# KiCad board 8851_HW-U1-VCU118_REV2-0_071417.kicad_pcb (continued)
## Routing (per net, layer and track width the routed paths; a pad name or vN(x,y) marks a point on that pad's centre or on a via; arc(x,y) is an arc through that point) (continued)
  20_SIG7 w0.138: 81.09,107.1 81.09,106.66 85.47,102.28 85.89,102.28 86.2,102.6 87.98,102.6 88.22,102.36 88.22,102 87.89,101.68 86.77,101.68 86.59,101.5 86.59,101.14 86.77,100.96 88,100.96 88.58,101.54 88.92,101.54 89.09,101.36 89.09,101.08 88.45,100.44 88.45,100.25 88.31,100.11 87.87,100.11 87.72,99.96 87.72,99.55 87.84,99.43 88.31,99.43 88.45,99.29 88.45,98.88 88.31,98.74 88.17,98.74 88.03,98.6 88.03,98.19 88.17,98.05 88.31,98.05 88.45,97.91 88.45,97.62 87.87,97.04 87.87,96.47 88.12,96.22 88.31,96.22 89,96.9 89.19,96.9 89.48,96.61 89.48,96.42 88.8,95.73 88.8,95.54 89.47,94.86 89.47,92.18 89.34,92.04 88.89,92.04 88.75,91.9 88.75,91.49 88.89,91.35 89.34,91.35 89.47,91.22 89.47,90.85 88.82,90.19 88.82,76.68 93.3,72.19 93.55,72.19 ; 80.53,121.39 80.53,121.66 80.44,121.76 79.74,121.76 79.55,121.94 79.55,123.64 79.27,123.92 78.55,123.92 78.2,123.57 78.2,122.14 78.58,121.77 78.58,121.45
RLD3_C3_72B_DQ54: length 114.1
  TOP w0.15: 77.58,118.77 v2(78.07,119.26) ; 101.12,68.25 v2(100.63,68.74)
  18_SIG6 w0.087: v2(100.63,68.74) 100.88,68.74 101.37,68.25 101.82,68.25 102.1,67.96 102.1,65.59 101.81,65.29 101.37,65.29 100.35,64.28 99.4,64.28 99.27,64.41 99.27,64.76 99.1,64.93 98.76,64.93 98.59,64.76 98.59,64.41 98.42,64.24 97.9,64.24 97.73,64.41 97.73,64.46 97.56,64.63 97.22,64.63 97.05,64.46 97.05,64.41 96.88,64.24 96.54,64.24 96.37,64.41 96.37,64.46 96.2,64.63 95.86,64.63 95.69,64.46 95.69,64.41 95.52,64.24 95.18,64.24 95.01,64.41 95.01,64.46 94.84,64.63 94.5,64.63 94.33,64.46 94.33,64.41 94.17,64.26 93.44,64.26 93.14,63.96 92.9,63.96 ; v2(78.07,119.26) 78.07,119.55 77.87,119.75 74.4,119.75 73.41,120.73 71.92,120.73 71.68,120.5 71.68,118.07 71.96,117.78 72.44,117.78 72.66,117.57 72.66,117.09 72.95,116.8 73.43,116.8 73.67,116.55 73.67,113.16 73.37,112.86 67.98,112.86 67.83,112.7
  18_SIG6 w0.138: 92.9,63.96 92.25,63.96 88.56,67.65 83.7,67.65 82.18,69.18 82.18,72.91 82.04,73.05 81.56,73.05 81.43,73.19 81.43,73.6 81.56,73.74 82.04,73.74 82.18,73.88 82.18,74.29 82.04,74.43 81.56,74.43 81.43,74.56 81.43,74.98 81.56,75.11 82.04,75.11 82.18,75.25 82.18,89.6 81.4,90.38 81.4,93.21 80.72,93.89 70.92,93.89 70.28,94.53 70.28,97.21 69.91,97.57 67.61,97.57 67.18,98.01 67.18,99.03 66.77,99.43 65.92,99.43 65.35,100 65.35,103.01 65.18,103.18 65.18,109.07 66.79,110.68 66.89,110.68 67.28,111.07 67.28,111.3 67.62,111.64 67.62,112.49 67.83,112.7
RLD3_C3_72B_DQ55: length 113.7
  TOP w0.15: 100.13,68.25 v2(99.64,68.74) ; 76.6,117.78 v2(77.09,118.27)
  18_SIG6 w0.087: 67.83,110.71 68.01,110.89 68.44,110.89 68.72,111.17 68.72,111.58 69.02,111.88 69.4,111.88 69.71,111.57 69.71,111.07 69.89,110.89 70.51,110.89 70.69,111.07 70.69,111.58 70.98,111.88 71.41,111.88 71.68,111.61 71.68,111.07 71.85,110.89 72.46,110.89 72.66,111.09 72.66,111.6 72.93,111.88 73.36,111.88 73.65,111.59 73.65,110.08 73.82,109.91 74.17,109.91 74.26,110 74.26,117.56 74.48,117.78 76.36,117.78 76.85,118.27 v2(77.09,118.27) ; 92.9,64.9 93.34,64.9 93.72,64.9 98.08,64.9 98.43,65.25 98.91,65.25 99.15,65.5 99.15,66.98 99.44,67.27 100,67.27 100.13,67.4 100.13,68 99.64,68.49 v2(99.64,68.74)
  18_SIG6 w0.138: 92.9,64.9 92.38,64.9 87.58,69.7 87.3,69.7 87.19,69.6 87.19,68.54 86.96,68.31 86.64,68.31 86.42,68.54 86.42,70.85 86.22,71.05 85.9,71.05 85.65,70.8 85.65,68.54 85.42,68.31 85.1,68.31 84.87,68.54 84.87,70.25 84.35,70.77 83.22,70.77 82.81,71.18 82.81,90.02 82.2,90.63 82.2,94 81.97,94.22 81.32,94.22 81.09,94.45 81.09,94.77 81.32,94.99 81.97,94.99 82.2,95.22 82.2,95.52 81.7,96.02 81.38,96.02 80.88,95.52 80.56,95.52 80.33,95.74 80.33,96.06 80.84,96.56 80.84,96.88 80.2,97.52 70.54,97.52 69.92,98.14 68.84,98.14 68.46,98.53 68.46,98.99 67.31,100.14 66.24,100.14 66,100.38 66,101.55 66.63,102.18 66.63,103.38 65.81,104.2 65.81,108.02 66.48,108.68 67.33,108.68 67.66,109.01 67.66,110.54 67.83,110.71
RLD3_C3_72B_DQ56: length 111.5
  TOP w0.15: 99.15,69.24 v2(98.66,69.73) ; 78.57,115.81 v2(79.06,116.31)
  TOP w0.375: v2(121.3,82.52) U1.F28
  18_SIG6 w0.087: 82.26,107.1 82.28,107.11 ; v2(98.66,69.73) 99.08,69.73 99.16,69.81 99.16,70.14 99.08,70.22 98.45,70.22 98.17,70.51 98.17,70.92 97.88,71.2 93.63,71.2 93.32,71.52 93.32,71.64 92.9,72.05 ; 82.28,117.82 82.25,117.79 81.81,117.79 81.52,117.5 81.52,117.08 81.24,116.8 79.77,116.8 79.28,116.31 v2(79.06,116.31)
  18_SIG6 w0.138: 82.28,107.11 82.83,107.67 82.83,108.09 82.49,108.44 82.49,108.63 82.48,108.63 82.48,108.87 82.69,109.08 84.18,109.08 84.38,109.28 84.38,109.9 84.25,110.03 83.17,110.03 82.97,110.23 82.97,110.85 83.19,111.07 84.18,111.07 84.38,111.28 84.38,111.92 84.28,112.01 83.06,112.01 82.92,112.15 82.92,112.78 83.17,113.03 84.23,113.03 84.36,113.16 84.36,113.74 84.12,113.97 84.12,114.28 84.25,114.41 84.82,114.41 84.97,114.56 84.97,114.76 84.83,114.91 83.85,114.91 83.65,115.11 83.65,115.72 83.82,115.9 84.51,115.9 85.03,116.42 85.03,117.42 84.82,117.64 84.59,117.64 84.43,117.48 84.43,117.12 84.25,116.93 83.62,116.93 83.25,116.56 82.82,116.56 82.62,116.76 82.62,117.3 82.99,117.68 82.99,118.6 82.86,118.73 82.65,118.73 82.52,118.61 82.52,118.06 82.28,117.82 ; 92.9,72.05 88.87,76.09 88.87,86.55 89.75,87.43 89.75,87.79 89.47,88.07 89.47,88.44 89.83,88.8 90.2,88.8 90.6,88.4 90.96,88.4 91.33,88.77 91.33,89.13 90.93,89.53 90.93,89.89 91.29,90.26 91.66,90.26 92.07,89.84 92.39,89.84 92.76,90.2 92.76,90.61 92.38,90.99 92.38,91.48 92.62,91.71 93.11,91.71 93.39,91.44 93.76,91.44 94.01,91.69 94.01,94.63 91.97,96.66 91.48,96.66 90.94,97.2 90.94,98.65 89.65,99.95 89.65,99.97 89.63,99.99 89.63,100.71 88.74,101.6 88.74,101.92 88.96,102.14 88.96,102.46 88.73,102.69 88.41,102.69 88.2,102.47 87.88,102.47 87.65,102.7 87.65,103.02 87.87,103.23 87.87,103.55 87.64,103.78 87.32,103.78 87.1,103.56 86.78,103.56 86.46,103.89 85.91,103.89 85.69,104.11 85.69,105.43 85.48,105.65 85.16,105.65 84.94,105.43 84.94,104.11 84.73,103.89 84.41,103.89 84.19,104.11 84.19,107.58 83.96,107.81 83.65,107.81 83.44,107.6 83.44,104.11 83.23,103.89 82.91,103.89 82.69,104.11 82.69,105.75 82.48,105.96 82.17,105.96 81.94,105.73 81.94,103.89 81.58,103.53 80.41,103.53 80.2,103.74 80.2,104.08 80.86,104.75 80.86,105.7 82.26,107.1
RLD3_C3_72B_DQ57: length 111.4
  TOP w0.15: 98.17,69.24 v2(97.67,69.73) ; 78.57,117.78 v2(79.06,118.27)
  TOP w0.375: v2(121.3,83.51) U1.E28
  18_SIG6 w0.087: v2(79.06,118.27) 79.06,118.68 79.14,118.77 80.35,118.77 80.52,118.6 80.52,118.08 80.22,117.78 79.79,117.78 79.53,117.53 79.53,117.09 79.25,116.81 78.84,116.81 78.57,116.54 78.57,114.64 78.76,114.45 80.37,114.45 80.53,114.3 80.53,114.06 80.31,113.84 78.84,113.84 78.57,113.57 78.57,113.11 78.81,112.87 80.26,112.87 80.53,112.6 80.53,112.1 80.31,111.88 78.84,111.88 78.57,111.61 78.57,111.17 78.84,110.9 80.23,110.9 80.53,110.6 80.53,110.2 80.23,109.91 78.82,109.91 78.56,109.65 78.56,109.16 78.8,108.92 80.25,108.92 80.53,108.64 80.53,108.22 80.24,107.94 79.81,107.94 79.55,107.68 79.55,107.1 ; 92.9,69.91 93.15,69.66 93.15,69.62 93.53,69.24 97.18,69.24 v2(97.67,69.73)
  18_SIG6 w0.138: 92.9,69.91 87.58,75.23 87.58,91.46 89.94,93.82 89.94,94.24 89.8,94.39 89.09,94.39 88.85,94.62 88.85,95.15 89.03,95.33 90.26,95.33 90.42,95.49 90.42,95.79 89.96,96.24 85.78,96.24 84,98.02 84,99.24 83.74,99.5 83.58,99.5 83.36,99.73 83.36,100.05 83.58,100.27 83.74,100.27 83.97,100.5 83.97,100.74 83.7,101 83.39,101 83.18,101.21 83.18,101.59 82.95,101.81 82.63,101.81 82.41,101.59 82.41,101.12 82.18,100.9 80.09,100.9 79.86,101.13 79.86,101.49 79.64,101.71 79.32,101.71 79.09,101.49 79.09,101.13 78.86,100.9 74.61,100.9 74.42,101.08 74.42,101.54 74.61,101.73 77.03,101.73 77.41,102.1 77.41,102.62 76.89,103.14 73.72,103.14 72.99,103.87 71.79,103.87 71.32,104.35 71.32,104.65 71.52,104.86 73.55,104.86 74.33,104.07 77.08,104.07 77.75,104.74 77.92,104.74 78.51,105.33 78.51,105.65 78.23,105.93 78.23,106.25 78.46,106.47 78.78,106.47 79.06,106.19 79.38,106.19 79.55,106.37 79.55,107.1
RLD3_C3_72B_DQ58: length 114.5
  TOP w0.15: 101.12,69.24 v2(100.63,69.73) ; 78.57,119.75 v2(79.06,120.24)
  18_SIG6 w0.087: 88.97,106.75 88.96,106.75 88.32,107.39 88.32,113.71 87.82,114.21 87.32,114.21 86.95,114.58 86.95,114.86 87.32,115.23 87.32,117.67 87.05,117.95 86.64,117.95 86.35,118.24 86.35,118.62 86.05,118.92 85.59,118.92 85.45,119.06 ; v2(100.63,69.73) 100.63,69.51 100.9,69.24 101.82,69.24 102.1,69.52 102.1,70.02 101.96,70.16 101.36,70.16 101.15,70.38 101.15,70.87 101.49,71.22 101.98,71.22 102.15,71.39 102.15,72.03 101.97,72.22 101.23,72.22 101.13,72.12 101.13,71.49 100.83,71.19 100.34,71.19 100.13,71.39 100.13,72.88 99.85,73.17 98.45,73.17 98.17,73.46 98.17,73.87 97.88,74.16 97.47,74.16 97.18,74.44 97.18,74.85 96.89,75.14 96.49,75.14 96.2,74.85 96.2,74.44 95.91,74.16 93.53,74.16 93.19,74.5 93.19,74.6 92.9,74.89 ; 95.98,89.52 95.98,88.44 94.81,87.26 93.71,87.26 92.9,86.45 ; v2(79.06,120.24) 78.57,120.74 78.57,121.44 78.27,121.74 77.22,121.74 77.08,121.87 77.08,122.6 76.91,122.77 76.57,122.77 76.4,122.6 76.4,121.87 76.24,121.71 75.88,121.71 75.72,121.87 75.72,122.6 75.55,122.77 75.21,122.77 75.04,122.6 75.04,121.87 74.87,121.7 74.44,121.7 73.89,122.25 72.85,122.25 72.26,122.85
  18_SIG6 w0.138: 92.9,86.45 92.65,86.2 92.65,75.14 92.9,74.89 ; 95.98,89.52 95.98,95.52 94.42,97.08 94.42,98.8 93.53,99.69 93.53,102.1 93.41,102.22 93.41,102.42 93.97,102.98 93.97,103.17 93.68,103.46 93.48,103.46 92.92,102.9 92.73,102.9 90.63,105 89.93,105 89.41,105.52 89.41,106.32 88.97,106.75 ; 85.45,119.06 85.38,119.13 85.38,119.68 84.9,120.16 84.9,121.93 82.99,123.84 80.65,123.84 79.33,125.17 78.69,125.17 77.84,126.02 77.84,127.46 77.7,127.6 77.29,127.6 77.15,127.46 77.15,126.63 77.01,126.49 76.6,126.49 76.46,126.63 76.46,127.46 76.32,127.6 75.91,127.6 75.77,127.46 75.77,126.63 75.24,126.1 71.13,126.1 70.99,125.96 70.99,124.6 71.19,124.4 71.93,124.4 72.12,124.21 72.12,122.99 72.26,122.85
RLD3_C3_72B_DQ59: length 114.7
  TOP w0.15: 100.13,69.24 v2(99.64,69.73) ; 79.55,116.8 v2(80.04,117.29)
  TOP w0.375: v2(121.3,81.54) U1.G28
  18_SIG6 w0.087: 92.9,73.01 93.2,72.71 93.2,72.51 93.52,72.19 97.88,72.19 98.17,71.9 98.17,71.49 98.45,71.2 98.86,71.2 99.15,70.92 99.15,70.51 99.44,70.22 99.73,70.22 99.86,70.09 99.86,69.88 99.71,69.73 v2(99.64,69.73) ; 82.28,121.46 82.03,121.46 81.75,121.18 81.75,120.7 81.91,120.54 81.91,118.91 81.52,118.52 81.52,118.02 81.28,117.78 80.71,117.78 80.22,117.29 v2(80.04,117.29)
  18_SIG6 w0.138: 82.28,121.46 83.08,121.46 83.68,120.86 83.68,120.46 83.54,120.32 82.97,120.32 82.83,120.19 82.83,119.95 82.99,119.79 83.56,119.79 83.69,119.66 83.69,119.06 83.4,118.77 83.4,118.19 83.57,118.03 85.08,118.03 85.38,117.73 85.38,115.15 85.56,114.97 85.84,114.97 85.99,114.82 85.99,114.6 85.84,114.46 85.51,114.46 85.38,114.32 85.38,114.06 84.9,113.59 84.9,113.22 85.12,113 86.2,113 86.35,112.85 86.35,112.33 86.06,112.04 84.92,112.04 84.82,111.94 84.82,111.3 85.09,111.03 86.14,111.03 86.35,110.82 86.35,110.26 86.13,110.05 85.08,110.05 84.82,109.79 84.82,109.33 85.09,109.06 86.19,109.06 86.35,108.9 86.35,108.37 86.09,108.12 85.01,108.12 84.79,107.9 84.79,107.7 85,107.49 86.77,107.49 86.88,107.38 86.88,107.08 86.75,106.95 85.07,106.95 84.93,106.81 84.93,106.47 85.07,106.34 86.5,106.34 86.75,106.09 86.75,105.59 86.88,105.46 86.88,105.14 86.61,104.87 86.61,104.56 86.84,104.33 87.17,104.33 87.43,104.59 87.75,104.59 88.79,103.55 89.11,103.55 89.14,103.58 89.46,103.58 89.69,103.35 89.69,103.03 89.66,103 89.66,102.68 89.87,102.47 89.87,101.44 89.99,101.32 90.31,101.32 90.85,101.86 91.17,101.86 91.4,101.63 91.4,101.31 90.86,100.78 90.86,100.46 90.97,100.34 90.97,99.7 92.25,98.43 92.25,97.3 94.64,94.9 94.64,90.03 94.34,89.73 93.68,89.73 93.46,89.5 93.46,88.88 93.45,88.85 93.18,88.58 92.86,88.58 92.51,88.94 92.19,88.94 91.96,88.71 91.96,88.39 92.32,88.04 92.32,87.72 92.05,87.45 91.73,87.45 91.41,87.78 91.09,87.78 90.86,87.56 90.86,87.24 91.19,86.91 91.19,86.18 91.07,86.06 89.92,86.06 89.67,85.81 89.67,85.49 89.89,85.26 91.09,85.26 91.29,85.06 91.29,84.74 91.04,84.49 89.89,84.49 89.67,84.26 89.67,83.94 89.89,83.71 91.09,83.71 91.29,83.51 91.29,83.19 91.04,82.94 89.89,82.94 89.67,82.72 89.67,82.4 89.89,82.17 91.09,82.17 91.29,81.97 91.29,81.65 91.04,81.4 89.89,81.4 89.67,81.17 89.67,80.85 89.89,80.62 91.09,80.62 91.29,80.42 91.29,80.1 91.04,79.85 89.89,79.85 89.67,79.63 89.67,79.31 89.89,79.08 91.09,79.08 91.29,78.88 91.29,78.56 91.04,78.31 89.89,78.31 89.67,78.08 89.67,77.76 89.89,77.53 91.09,77.53 91.29,77.33 91.29,77.01 91.04,76.76 89.89,76.76 89.67,76.54 89.67,76.22 89.89,75.99 91.09,75.99 91.29,75.79 91.29,74.62 92.9,73.01
RLD3_C3_72B_DQ60: length 112.4
  TOP w0.15: 79.55,118.77 v2(80.04,119.26) ; 98.17,67.27 v2(97.67,67.76)
  TOP w0.375: v2(119.33,83.51) U1.E26
  18_SIG6 w0.087: v2(97.67,67.76) 97.18,68.25 93.49,68.25 92.9,68.84 ; 77.3,122.85 78.07,122.07 79.09,122.07 79.55,121.62 79.55,120 79.3,119.75 78.85,119.75 78.57,119.46 78.57,117.07 78.28,116.78 77.88,116.78 77.59,116.5 77.59,114.98 77.45,114.84 76.38,114.84 76.21,114.67 76.21,114.05 76.39,113.87 76.86,113.87 77.33,114.34 78.23,114.34 78.38,114.19 78.38,113.87 78.29,113.78 77.77,113.78 77.58,113.59 77.58,109.09 77.57,109.08 77.57,108.63 77.57,108.63 77.57,108.23 77.57,108.23 77.57,107.1 ; v2(80.04,119.26) 80.53,119.75 80.53,121.45 80.24,121.74 80.24,121.96 79.51,122.69 78.62,122.69 78.46,122.85
  18_SIG6 w0.138: 78.46,122.85 77.55,123.75 76.89,123.75 76.76,123.89 76.76,124.43 76.61,124.58 76.19,124.58 76.07,124.46 76.07,123.89 75.93,123.75 75.52,123.75 75.38,123.89 75.38,124.43 75.23,124.58 74.82,124.58 74.69,124.46 74.69,123.89 74.56,123.75 74.14,123.75 74.01,123.89 74.01,124.43 73.86,124.58 73.03,124.58 72.8,124.36 72.8,123.48 73.07,123.21 76.93,123.21 77.3,122.85 ; 92.9,68.84 86.94,74.8 86.94,90.58 86.6,90.92 85.95,90.92 85.72,91.15 85.72,92.24 84.73,93.23 84.73,96.33 82.81,98.24 82.81,99.14 81.6,100.36 74.25,100.36 73.63,100.98 72.7,100.98 72.64,101.04 72.64,101.4 72.82,101.57 73.37,101.57 73.54,101.73 73.54,102.43 72.72,103.24 71.64,103.24 70.58,104.29 70.58,105.31 70.8,105.53 73.77,105.53 74.29,105.01 77.13,105.01 77.57,105.45 77.57,107.1
RLD3_C3_72B_DQ61: length 111.3
  TOP w0.15: 98.17,68.25 v2(97.67,68.74) ; 80.53,115.81 v2(81.03,116.31)
  18_SIG6 w0.087: 82.28,113.83 82.26,113.85 80.79,113.85 80.54,113.59 80.54,113.12 80.79,112.86 82.24,112.86 82.28,112.82 ; 82.28,111.89 82.26,111.88 80.77,111.88 80.53,111.63 80.53,111.16 80.79,110.9 82.28,110.9 ; 82.28,114.79 82.14,114.66 81.68,114.66 81.52,114.82 79.8,114.82 79.55,115.07 79.55,115.62 79.74,115.81 81.34,115.81 81.47,115.94 81.47,116.21 81.37,116.31 v2(81.03,116.31) ; 80.65,107.1 80.65,107.64 80.85,107.84 81.34,107.84 81.51,108.01 81.51,108.78 81.36,108.94 80.81,108.94 80.55,109.19 80.55,109.63 80.83,109.91 82.26,109.91 82.28,109.93 ; v2(97.67,68.74) 97.67,69.03 98.17,69.52 98.17,69.93 97.88,70.22 93.54,70.22 93.15,70.6 93.15,70.73 92.9,70.98
  18_SIG6 w0.138: 82.28,110.9 82.31,110.9 82.53,110.67 82.53,110.19 82.28,109.93 ; 82.28,111.89 82.53,112.15 82.53,112.57 82.28,112.82 ; 80.65,107.1 80.65,106.57 79.66,105.58 79.66,104.45 79.32,104.11 77.9,104.11 77.61,103.82 77.61,103.41 78.03,102.99 82.25,102.99 82.51,103.25 84.24,103.25 84.5,102.99 84.5,102.34 84.76,102.08 85.27,102.08 85.53,102.34 85.53,102.99 85.79,103.25 86.14,103.25 87.28,102.11 87.28,101.45 87.08,101.26 84.95,101.26 84.7,101.01 84.7,99.75 85.04,99.41 85.48,99.41 85.83,99.76 85.83,99.99 86.09,100.25 86.61,100.25 86.86,99.99 86.86,99.76 87.12,99.5 89.19,99.5 89.49,99.21 89.49,98.51 89.29,98.31 86.25,98.31 85.88,97.94 85.88,97.23 86.23,96.88 90.34,96.88 91.7,95.52 92.18,95.52 93.11,94.6 93.11,93.49 92.03,92.41 91.66,92.41 90.86,93.22 90.49,93.22 90.13,92.85 90.13,92.49 90.93,91.68 90.93,91.32 90.57,90.96 90.21,90.96 89.4,91.76 89.04,91.76 88.67,91.4 88.67,91.03 89.48,90.23 89.48,89.86 88.21,88.6 88.21,75.67 92.9,70.98 ; 82.28,114.79 82.53,115.05 82.53,115.9 82.69,116.06 82.93,116.06 83.21,115.79 83.21,114.08 82.96,113.83 82.28,113.83
RLD3_C3_72B_DQ62: length 113.3
  TOP w0.15: 80.53,117.78 v2(81.03,118.27) ; 100.13,66.28 v2(99.64,66.77)
  18_SIG6 w0.087: 92.9,73.9 92.9,73.87 93.25,73.52 93.25,73.46 93.53,73.17 97.93,73.17 98.17,72.93 98.17,72.48 98.45,72.19 98.86,72.19 99.15,71.9 99.15,71.49 99.44,71.2 99.85,71.2 100.13,70.92 100.13,68.54 100.42,68.25 100.83,68.25 101.12,67.96 101.12,65.55 100.18,64.61 99.82,64.61 99.51,64.92 99.51,65.19 99.64,65.31 100,65.31 100.14,65.45 100.14,66.71 100.07,66.77 v2(99.64,66.77) ; 87.94,106.75 87.33,107.36 87.33,113.8 87.13,114 86.7,114 86.35,114.35 86.35,117.63 86.05,117.92 85.64,117.92 85.45,118.12 ; 80.11,122.85 80.35,122.62 81.86,122.62 82.1,122.37 82.1,122.03 81.96,121.89 81.1,121.89 81.02,121.8 81.02,121.01 81.57,120.46 81.57,119.08 81.02,118.54 81.02,118.28 v2(81.03,118.27)
  18_SIG6 w0.138: 80.11,122.85 79.12,123.85 78.24,123.85 76.99,125.1 71.75,125.1 71.61,125.24 71.61,125.44 71.74,125.58 77.45,125.58 78.56,124.46 79.24,124.46 80.43,123.27 81.89,123.27 83.08,122.08 83.28,122.08 83.64,121.72 83.64,121.6 84.3,120.94 84.3,119.18 84.6,118.88 85.04,118.88 85.3,118.62 85.3,118.26 85.45,118.12 ; 92.9,73.9 92.02,74.79 92.02,86.47 94.06,88.51 94.38,88.51 94.75,88.14 95.07,88.14 95.3,88.36 95.3,88.68 94.93,89.05 94.93,89.37 95.29,89.74 95.29,95.21 93.61,96.89 93.61,98.25 92.24,99.62 92.24,100.72 92.38,100.85 92.87,100.85 93,100.99 93,101.4 92.87,101.54 92.38,101.54 92.24,101.68 92.24,101.9 91.94,102.19 91.94,102.39 92.11,102.55 92.11,102.75 91.82,103.04 91.62,103.04 91.24,102.66 90.99,102.66 90.78,102.87 90.78,103.17 91.14,103.52 91.14,103.72 90.84,104.01 90.65,104.01 90.48,103.85 90.29,103.85 89.18,104.95 88.99,104.95 88.83,104.8 88.83,104.69 88.73,104.59 88.54,104.59 88.01,105.11 88.01,105.31 88.17,105.47 88.17,106.52 87.94,106.75
RLD3_C3_72B_DQ63: length 110.3
  TOP w0.15: v2(72.17,118.27) 72.66,117.78 ; v2(94.72,69.73) 95.21,69.24
  16_SIG5 w0.087: 67.83,109.06 67.94,108.94 73.35,108.94 73.63,109.22 73.63,113.55 73.14,114.04 73.14,114.66 72.97,114.83 70.97,114.83 70.69,115.11 70.69,117.49 70.98,117.78 71.68,117.78 v2(72.17,118.27) ; v2(94.72,69.73) 94.72,70 94.23,70.5 94.23,70.92 93.94,71.2 93.4,71.2 92.9,71.7
  16_SIG5 w0.138: 92.9,71.7 92.76,71.84 92.42,71.84 86.25,78.02 86.25,90.21 85.9,90.55 85.6,90.55 85.36,90.31 85.04,90.31 84.82,90.54 84.82,90.86 84.95,91 84.95,91.32 84.72,91.54 84.4,91.54 84.27,91.41 83.95,91.41 83.72,91.63 83.72,91.95 83.86,92.09 83.86,92.41 83.56,92.71 83.56,93.81 83.69,93.95 83.86,93.95 84,94.09 84,94.5 83.86,94.64 83.69,94.64 83.56,94.78 83.56,95.19 83.69,95.33 83.86,95.33 84,95.46 84,95.88 83.86,96.01 83.69,96.01 83.56,96.15 83.56,96.56 83.69,96.7 83.86,96.7 84,96.84 84,97.25 83.86,97.39 83.69,97.39 83.56,97.53 83.56,98 84,98.45 84,99.5 82.64,100.86 81.6,100.86 81.36,101.1 81.1,101.1 80.86,100.86 80.12,100.86 79.85,101.13 79.85,101.44 79.63,101.67 79.31,101.67 79.08,101.44 79.08,101.13 78.84,100.89 78.09,100.89 77.77,101.21 77.77,102.78 77.77,103.06 77.62,103.2 77.62,103.75 77.33,104.04 71.36,104.04 70.3,105.1 69.61,105.1 69.13,104.62 69.01,104.62 68.88,104.76 68.88,104.79 68.74,104.92 68.33,104.92 68.19,104.79 68.19,104.76 68.05,104.62 67.64,104.62 67.5,104.76 67.5,104.79 67.36,104.92 66.95,104.92 66.81,104.79 66.81,104.76 66.68,104.62 66.22,104.62 63.52,107.33 63.52,109.88 63.05,110.35 63.05,115.22 62.67,115.6 62.67,116.57 63.02,116.92 63.96,116.92 64.2,116.68 64.2,116.48 63.87,116.15 63.87,115.96 64.16,115.67 64.35,115.67 64.68,116 64.88,116 65.25,115.62 65.25,115.22 65.11,115.08 63.71,115.08 63.58,114.94 63.58,114.53 63.71,114.39 65.11,114.39 65.25,114.26 65.25,113.6 67.65,111.21 67.65,109.23 67.83,109.06
RLD3_C3_72B_DQ64: length 109
  TOP w0.15: 71.68,118.77 v2(71.18,119.26) ; v2(93.74,69.73) 94.23,69.24
  16_SIG5 w0.087: v2(71.18,119.26) 71.18,118.97 70.69,118.48 70.69,118.07 70.4,117.78 70,117.78 69.71,117.49 69.71,116.1 69.4,115.8 69.02,115.8 68.74,115.52 68.74,114.97 68.27,114.5 68.27,114.13 68.56,113.84 71.45,113.84 71.66,113.63 71.66,111.19 71.38,110.91 70,110.91 69.69,111.22 69.69,112.57 69.38,112.88 67.83,112.88
  16_SIG5 w0.138: 67.83,112.88 67.77,112.88 66.69,113.96 66.69,115.82 65.61,116.9 65.61,117.84 65.24,118.21 60.76,118.21 60.68,118.13 59.5,118.13 58.58,117.2 58.58,115.8 59.34,115.04 61.66,115.04 62.02,114.67 62.02,109.92 62.5,109.45 62.5,106.9 64.88,104.52 64.88,103.19 65.09,102.99 65.64,102.99 66.09,103.44 66.67,103.44 67.12,102.99 67.7,102.99 68.15,103.44 68.73,103.44 69.18,102.99 70.55,102.99 70.78,102.76 73.05,102.76 74.06,101.75 75.95,101.75 76.5,101.2 76.5,99.93 76.95,99.49 80.26,99.49 82.02,97.73 82.02,91.38 84.59,88.8 84.59,78.23 84.35,77.98 84.2,77.98 83.92,77.71 83.92,77.24 84.18,76.98 84.34,76.98 84.59,76.73 84.59,76.34 84.91,76.02 86.29,76.02 86.71,75.6 86.71,75.24 86.65,75.18 86.65,74.82 87.01,74.45 87.38,74.45 87.44,74.51 87.8,74.51 88.16,74.15 88.16,73.78 88.11,73.73 88.11,73.36 88.47,73 88.83,73 88.89,73.05 89.26,73.05 89.62,72.69 89.62,72.33 89.56,72.27 89.56,71.9 89.93,71.54 90.29,71.54 90.35,71.6 90.71,71.6 92.43,69.88 93.17,69.88 93.32,69.73 v2(93.74,69.73)
RLD3_C3_72B_DQ65: length 109.4
  TOP w0.15: 71.68,120.74 v2(71.18,121.23) ; v2(95.71,68.74) 96.2,68.25
  16_SIG5 w0.087: 92.9,74.16 94.12,74.16 94.23,74.05 94.23,73.46 94.52,73.17 94.93,73.17 95.21,72.88 95.21,72.48 95.5,72.19 95.91,72.19 96.2,71.9 96.2,71.49 96.49,71.2 96.89,71.2 97.18,70.92 97.18,68.54 96.89,68.25 96.4,68.25 95.91,68.74 v2(95.71,68.74) ; 71.8,122.85 71.8,121.53 71.69,121.43 71.69,121.03 71.97,120.75 72.34,120.75 72.65,120.44 72.65,119.09 72.98,118.75 73.35,118.75 73.63,118.47 73.63,118.11 74.95,116.78 75.32,116.78 75.61,116.49 75.61,110.2 75.61,110.19 75.61,107.11 75.62,107.1
  16_SIG5 w0.138: 71.8,122.85 71.8,123.02 70.47,124.35 67.7,124.35 66.32,125.73 65.78,125.73 64.96,124.91 63.82,124.91 63.47,125.27 63.47,126.42 63.34,126.55 62.54,126.55 62.41,126.41 62.41,125.44 62.27,125.3 61.99,125.3 61.86,125.44 61.86,126.41 61.72,126.55 60.16,126.55 60.02,126.41 60.02,126.17 60.19,126.01 61.2,126.01 61.34,125.87 61.34,125.59 61.2,125.46 60.59,125.46 60.45,125.32 60.45,124.47 60.66,124.26 63.09,124.26 63.6,123.75 64.85,123.75 65.38,123.21 66.6,123.21 67.14,123.75 70.23,123.75 71.18,122.8 v2(71.18,121.23) ; 92.9,74.16 92.62,74.16 88.08,78.7 88.08,92.35 88.85,93.12 88.85,94.77 87.62,96 85.93,96 85.48,96.45 85.48,97.55 86.53,98.6 86.53,99.22 85.14,100.62 85.14,101.51 80.47,106.17 76.55,106.17 75.62,107.1
RLD3_C3_72B_DQ66: length 109.5
  TOP w0.15: v2(94.72,68.74) 95.21,68.25 ; 70.69,115.81 v2(70.2,116.31)
  16_SIG5 w0.087: v2(70.2,116.31) 70.2,116 69.74,115.54 69.74,114.95 69.63,114.84 69.07,114.84 68.91,114.68 68.91,114.28 69,114.19 69.69,114.19 70.2,114.7 70.57,114.7 70.87,114.4 72.55,114.4 72.66,114.29 72.66,110.11 72.46,109.9 69.04,109.9 68.71,110.23 68.71,111.63 68.44,111.89 67.86,111.89 67.83,111.92 ; v2(94.72,68.74) 94.87,68.74 94.97,68.85 94.97,69.12 94.87,69.22 94.45,69.22 94.23,69.45 94.23,69.93 93.94,70.22 93.46,70.22 92.9,70.78
  16_SIG5 w0.138: 92.9,70.78 92.65,71.03 92.23,71.03 86.43,76.83 86.11,76.83 85.96,76.67 85.64,76.67 85.41,76.9 85.41,77.22 85.57,77.37 85.57,77.69 85.38,77.88 85.38,89.08 82.77,91.68 82.77,93.13 83.03,93.38 83.03,93.82 82.77,94.07 82.77,94.5 83.03,94.76 83.03,95.19 82.77,95.44 82.77,95.88 83.03,96.13 83.03,96.57 82.77,96.82 82.77,97.25 83.03,97.51 83.03,97.94 82.77,98.19 82.77,98.97 83.08,99.27 83.08,99.7 82.46,100.32 81.95,100.32 81.78,100.14 81.78,99.36 81.55,99.14 81.34,99.14 81.01,99.47 81.01,99.99 80.86,100.14 79.99,100.14 79.85,100.28 79.85,100.36 79.72,100.5 79.3,100.5 79.17,100.36 79.17,100.28 79.03,100.14 77.58,100.14 77.13,100.59 77.13,102.73 76.8,103.06 76.46,103.41 75.81,103.41 75.38,102.98 75.17,102.98 74.74,103.41 74.4,103.41 73.97,102.98 73.74,102.98 73.31,103.41 71.27,103.41 70.24,104.43 69.86,104.43 69.51,104.09 66.26,104.09 66.25,104.1 66.03,104.1 63.01,107.11 63.01,109.66 62.54,110.14 62.54,115.01 62,115.55 60.05,115.55 59.73,115.88 59.73,116.75 59.98,117 60.45,117 61.01,117.56 64.05,117.56 66.06,115.56 66.06,113.69 67.83,111.92
RLD3_C3_72B_DQ67: length 109.6
  TOP w0.15: 70.69,117.78 v2(70.2,118.27) ; v2(94.72,67.76) 95.21,67.27
  TOP w0.375: U1.B26 v2(119.33,86.46)
  16_SIG5 w0.087: v2(94.72,67.76) 95.01,67.76 95.5,67.27 95.91,67.27 96.2,66.98 96.2,66.57 95.91,66.28 93.43,66.28 93.07,66.65 92.9,66.65 ; v2(70.2,118.27) 69.91,118.27 69.42,118.77 69.01,118.77 68.72,119.05 68.72,119.46 69.01,119.75 70.4,119.75 70.69,120.04 70.69,120.45 70.4,120.73 70,120.73 69.71,121.02 69.71,121.43 69.5,121.64
  16_SIG5 w0.138: 92.9,66.65 90.36,66.65 85.13,71.88 83.63,71.88 82.85,72.66 82.85,72.95 80.32,75.48 80.32,83.42 79.63,84.12 78.12,84.12 72.5,89.74 72.5,92.52 71.62,93.4 71.27,93.4 70.2,94.47 70.2,97.14 69.56,97.77 64.5,97.77 62.05,100.22 62.05,101.25 59.58,103.72 59.58,105.06 57.54,107.1 57.54,110.41 56.85,111.1 56.85,113.35 56.2,114 55.1,114 54.75,114.35 54.75,121.73 55.06,122.03 57.9,122.03 58.74,122.88 62.05,122.88 64.08,120.85 65.84,120.85 67.44,122.45 68.68,122.45 69.5,121.64
